# Altium PCB LED_12T-V1.1拼.PcbDoc (part 2 of 5)
Units mm, origin at the board's own origin, x right, y up, seen from the top; angles counter-clockwise.
Board outline 152.4 x 101.6 mm, 2 copper layers (Top Layer, Bottom Layer); 148 components, 0 nets, 416 pads, 236 vias.
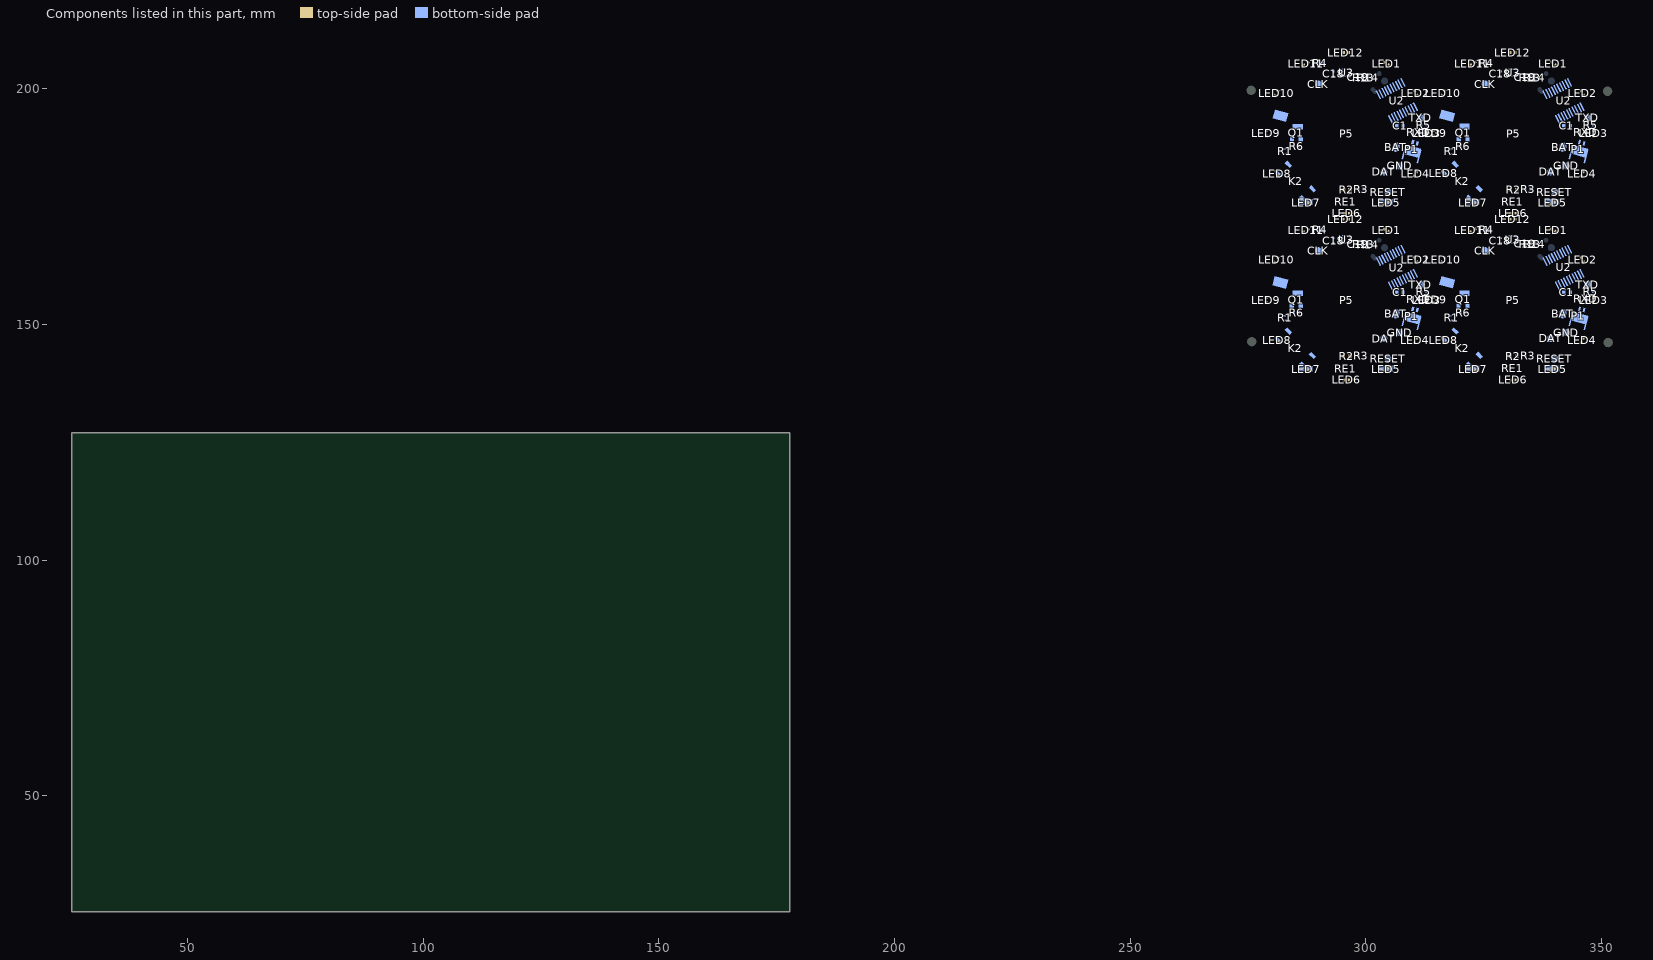
[diagram p2: the components of this part, seen from the top]

## Via types
v1: diameter 0.5, hole 0.3, Top Layer to Bottom Layer, 236 vias

## Nets (pads, with @x,y where several pads share a name; then routed paths per layer and width w, separated by ;. In a path a pad name is that pad's centre, name@x,y a point inside that pad or via, vN(x,y) a via of type N, cw(c..) or ccw(c..) an arc to the next point about the centre after c; other vN are vias at no path point) (continued)
copper on no net: (continued)
  Top Layer w0.254: v1@278.709,153.765 278.666,154.334 278.809,154.642 278.828,154.627 ; v1@278.715,189.124 278.672,189.693 278.814,190.001 278.833,189.987 ; v1@278.845,153.847 278.861,154.66 ; v1@278.85,189.206 278.867,190.019 ; 278.941,154.594 279.031,154.329 v1@279.003,153.793 ; 278.947,189.953 279.037,189.688 v1@279.008,189.152 ; v1@280.355,149.493 280.379,149.469 280.379,147.886 280.677,147.589 ; v1@280.361,184.852 280.385,184.828 280.385,183.245 280.682,182.948 ; v1@280.403,149.422 280.403,148.029 280.701,147.732 280.701,147.613 ; v1@280.409,184.781 280.409,183.388 280.706,183.091 280.706,182.972 ; v1@280.451,162.644 280.699,163.093 280.705,163.105 ; v1@280.457,198.004 280.705,198.452 280.71,198.464 ; v1@280.463,149.433 280.463,148.362 280.665,148.16 280.665,147.779 ; v1@280.468,184.792 280.468,183.721 280.67,183.519 280.67,183.138 ; 280.557,147.326 280.418,147.711 280.866,147.989 281.024,148.008 281.106,147.913 281.257,147.673 281.339,147.276 281.055,147.094 ; 280.562,182.685 280.423,183.07 280.871,183.348 281.029,183.367 281.111,183.272 281.263,183.032 281.345,182.635 281.061,182.454 ; 280.563,147.477 281.062,147.749 ; 280.567,147.651 280.98,147.888 ; 280.569,182.837 281.067,183.108 ; 280.573,183.01 280.985,183.247 ; v1@280.589,162.564 280.802,162.919 280.906,163.171 ; v1@280.594,197.923 280.808,198.278 280.912,198.53 ; 281.055,147.623 281.188,147.307 ; 281.061,182.982 281.193,182.666 ; 281.399,146.18 281.389,146.149 281.41,145.893 281.665,145.466 281.983,145.601 281.999,145.7 281.717,146.055 ; 281.405,181.539 281.394,181.508 281.415,181.252 281.671,180.825 281.989,180.96 282.004,181.06 281.723,181.414 ; 281.497,146.129 281.762,145.675 ; 281.503,181.488 281.768,181.035 ; 281.649,145.629 281.649,145.544 282.486,144.707 282.724,144.707 ; 281.655,180.988 281.655,180.903 282.492,180.066 282.73,180.066 ; v1@283.484,157.614 283.678,158.331 v1@283.996,159.22 ; v1@283.489,192.973 283.683,193.69 v1@284.001,194.579 ; v1@283.555,144.101 283.555,144.089 285.15,142.494 v1(285.15,142.173) ; v1@283.561,179.46 283.561,179.448 285.156,177.854 v1(285.156,177.532) ; 283.698,156.159 284.166,156.77 284.929,157.4 285.273,157.419 v1@285.206,157.372 ; 283.703,191.518 284.171,192.129 284.935,192.759 285.279,192.778 v1@285.212,192.731 ; v1@283.726,157.507 283.893,157.965 284.179,158.703 ; v1@283.732,192.866 283.899,193.324 284.185,194.062 ; v1@283.887,158.667 284.221,159.001 284.221,159.365 ; v1@283.892,194.026 284.227,194.36 284.227,194.724 ; v1@283.956,158.441 283.956,158.539 284.192,158.775 v1@284.192,158.962 ; v1@283.961,193.8 283.961,193.898 284.197,194.134 v1@284.197,194.321 ; 284.015,159.289 285.404,160.6 ; 284.021,194.649 285.41,195.959 ; v1@284.044,158.991 284.044,159.306 ; v1@284.05,194.351 284.05,194.665 ; v1@284.146,159.09 285.526,160.487 ; v1@284.149,159.21 284.197,159.21 ; v1@284.151,194.449 285.531,195.846 ; v1@284.155,194.569 284.202,194.569 ; 284.576,156.952 v1@285.235,157.095 ; 284.582,192.311 v1@285.24,192.454 ; v1@285.277,157.214 284.866,157.214 283.818,156.166 283.756,156.166 ccw(c296.955,155.406) v1@287.983,145.695 ; v1@285.283,192.573 284.872,192.573 283.824,191.526 283.761,191.526 ccw(c296.961,190.765) v1@287.988,181.054 ; v1@286.274,169.101 286.492,169.718 286.695,169.817 286.716,169.817 ; v1@286.28,204.46 286.497,205.077 286.7,205.176 286.722,205.176 ; 286.355,169.364 286.826,169.683 ; 286.361,204.723 286.831,205.042 ; v1@286.442,169.183 286.73,169.685 ; v1@286.447,204.542 286.736,205.045 ; v1@286.531,168.987 286.894,169.614 ; v1@286.536,204.346 286.9,204.973 ; v1@287.711,145.528 288.31,145.528 289.633,144.204 291.69,144.204 ; v1@287.716,180.887 288.315,180.887 289.639,179.563 291.695,179.563 ; v1@287.854,145.715 288.265,145.715 289.696,144.285 289.758,144.285 ; v1@287.859,181.075 288.271,181.075 289.701,179.644 289.764,179.644 ; 287.924,140.189 288.417,139.982 ; 287.93,175.549 288.422,175.341 ; 287.958,140.278 288.531,140.399 288.847,140.267 288.847,140.146 288.715,139.854 288.411,139.865 ; 287.963,175.637 288.537,175.758 288.852,175.626 288.852,175.505 288.72,175.213 288.416,175.224 ; 288.024,139.989 288.417,139.954 288.417,139.847 ; 288.03,175.348 288.422,175.313 288.422,175.206 ; 288.129,140.08 288.483,140.08 ; 288.134,175.439 288.488,175.439 ; 288.167,140.218 288.553,140.047 ; 288.172,175.577 288.558,175.406 ; 288.506,140.217 291.033,140.217 v1@291.151,140.099 ; 288.506,140.282 288.794,139.994 v1@291.164,139.994 ; 288.512,175.576 291.038,175.576 v1@291.156,175.458 ; 288.512,175.641 288.8,175.353 v1@291.169,175.353 ; 288.533,140.217 290.771,140.217 290.876,140.322 ; 288.538,175.576 290.777,175.576 290.881,175.681 ; 288.593,140.227 288.614,139.895 ; 288.598,175.586 288.62,175.254 ; 289.392,144.553 289.58,144.365 291.207,144.365 291.243,144.33 291.278,144.33 ; 289.397,179.912 289.585,179.724 291.212,179.724 291.248,179.689 291.284,179.689 ; 290.866,144.369 295.966,144.369 296.949,143.387 297.123,143.387 ; 290.872,179.728 295.972,179.728 296.954,178.746 297.128,178.746 ; 290.993,144.179 295.919,144.179 296.79,143.308 ; 290.998,179.538 295.925,179.538 296.796,178.667 ; 294.318,166.433 v1@294.603,166.718 ; 294.324,201.792 v1@294.609,202.077 ; v1@294.331,143.265 ccw(c294.426,143.265) 294.426,143.17 295.183,143.17 ; v1@294.337,178.624 ccw(c294.431,178.624) 294.431,178.529 295.188,178.529 ; v1@294.344,166.818 295.576,168.206 295.581,168.221 ; v1@294.35,202.177 295.581,203.565 295.586,203.58 ; 294.351,143.118 294.879,142.957 295.137,143.043 295.143,143.043 ; 294.357,178.477 294.884,178.316 295.142,178.403 295.148,178.403 ; v1@294.407,143.485 ccw(c294.432,143.485) 294.432,143.46 295.113,143.46 cw(c295.113,143.384) 295.189,143.384 ccw(c295.195,143.384) 295.195,143.378 ; v1@294.412,178.844 ccw(c294.438,178.844) 294.438,178.819 295.119,178.819 cw(c295.119,178.744) 295.195,178.744 ccw(c295.201,178.744) 295.201,178.737 ; v1(294.445,143.365) 295.189,143.365 cw(c295.189,143.334) 295.221,143.334 ; v1(294.45,178.725) 295.195,178.725 cw(c295.195,178.693) 295.226,178.693 ; v1@294.466,166.777 295.707,168.08 297.58,168.004 ; v1@294.471,202.136 295.713,203.439 297.585,203.363 ; 294.589,172.262 294.762,172.204 295.222,172.223 295.235,172.217 ; 294.595,207.621 294.768,207.563 295.228,207.582 295.24,207.576 ; v1@294.618,166.707 295.626,167.714 v1@297.591,167.714 ; v1@294.624,202.066 295.632,203.074 v1@297.597,203.074 ; v1@294.696,172.588 294.561,172.588 294.561,172.41 294.612,172.359 294.816,172.359 294.886,172.43 295.184,172.43 ; v1@294.701,207.947 294.567,207.947 294.567,207.769 294.618,207.718 294.821,207.718 294.892,207.789 295.19,207.789 ; 295.213,168.841 ccw(c295.213,168.105) 294.692,168.626 294.47,168.404 cw(c294.21,168.664) 294.21,168.296 ccw(c295.889,155.181) 303.047,144.066 306.906,144.066 308.72,145.88 310.332,145.88 ; 295.218,204.2 ccw(c295.218,203.464) 294.698,203.985 294.476,203.763 cw(c294.216,204.023) 294.216,203.655 ccw(c295.894,190.541) 303.053,179.425 306.911,179.425 308.725,181.239 310.338,181.239 ; 295.229,168.845 cw(c295.835,155.213) v1@307.799,161.773 ; 295.234,204.204 cw(c295.84,190.572) v1@307.805,197.132 ; 295.414,167.948 297.802,167.837 ; 295.42,203.307 297.807,203.196 ; 295.663,168.243 cw(c295.897,155.177) 308.824,157.091 ; 295.668,203.602 cw(c295.902,190.536) 308.83,192.45 ; 296.578,138.519 297.303,138.519 ; 296.583,173.878 297.308,173.878 ; 296.588,143.33 296.594,143.324 296.961,143.497 297.781,143.279 ; 296.594,178.689 296.599,178.684 296.966,178.856 297.787,178.638 ; 296.653,138.366 296.721,138.384 297.234,138.519 ; 296.657,143.107 296.651,143.095 296.972,142.969 297.907,143.193 ; 296.658,173.725 296.727,173.743 297.24,173.878 ; 296.662,178.466 296.657,178.454 296.978,178.328 297.913,178.552 ; 296.777,143.336 297.557,143.221 ; 296.783,178.695 297.563,178.58 ; 296.808,143.124 ccw(c295.681,156.297) 305.633,147.594 ; 296.814,178.483 ccw(c295.686,191.656) 305.639,182.953 ; 297.33,138.201 297.447,138.319 v1@297.447,139.876 ; 297.335,173.56 297.453,173.678 v1@297.453,175.236 ; v1@297.426,167.705 v1@297.433,167.699 ; v1@297.432,203.064 v1@297.438,203.058 ; v1@297.494,167.686 297.524,168.155 ; v1@297.499,203.045 297.53,203.514 ; v1@297.539,167.863 297.544,167.852 299.765,167.635 ; v1@297.545,203.222 297.55,203.212 299.77,202.994 ; v1@297.59,167.701 299.755,167.605 ; v1@297.595,203.06 299.76,202.964 ; 297.625,167.974 299.311,167.706 ; 297.63,203.333 299.316,203.065 ; v1@298.446,144.174 298.958,144.322 ; v1@298.451,179.533 298.964,179.681 ; 301.187,166.502 v1@302.309,165.861 ; 301.193,201.861 v1@302.315,201.22 ; 301.992,165.657 v1(302.28,165.808) ; 301.998,201.016 v1(302.286,201.168) ; 302.902,164.563 304.98,160.961 ; 302.908,199.922 304.986,196.32 ; v1@303.62,147.136 305.157,149.198 ; v1@303.625,182.495 305.162,184.557 ; 303.677,162.584 304.513,161.121 ; 303.682,197.943 304.518,196.48 ; v1@303.687,147.171 303.57,147.058 303.594,146.908 303.801,146.863 v1@303.926,146.969 ; v1@303.693,182.53 303.575,182.417 303.6,182.267 303.806,182.223 v1@303.932,182.328 ; v1@303.753,146.993 305.176,149.227 ; v1@303.753,147.012 305.367,149.189 ; v1@303.759,182.352 305.181,184.586 ; v1@303.759,182.371 305.372,184.548 ; v1@303.858,146.936 305.424,149.217 ; v1@303.864,182.295 305.43,184.576 ; 304.38,161 304.905,161 305.621,160.284 v1@305.621,160.05 ; 304.385,196.359 304.911,196.359 305.626,195.644 v1@305.626,195.409 ; 304.415,162.276 305.103,160.948 ; 304.42,197.635 305.109,196.307 ; 304.595,169.278 304.595,169.562 304.821,169.789 ; 304.6,204.637 304.6,204.922 304.827,205.148 ; 304.609,169.212 cw(c295.961,155.22) 309.417,164.679 309.417,162.096 cw(c309.215,162.096) v1(309.358,161.952) ; 304.614,204.571 cw(c295.967,190.579) 309.423,200.039 309.423,197.455 cw(c309.22,197.455) v1(309.364,197.312) ; 304.67,169.15 ccw(c304.185,169.635) 304.871,169.635 ; 304.676,204.509 ccw(c304.191,204.994) 304.877,204.994 ; 304.799,169.611 304.802,169.611 304.896,169.517 304.896,169.099 304.902,169.093 ; 304.804,204.97 304.807,204.97 304.901,204.876 304.901,204.459 304.908,204.452 ; 305.192,149.212 305.981,150.001 305.981,152.552 cw(c307.483,152.552) 306.421,153.614 306.679,153.872 ccw(c304.511,156.04) 307.577,156.04 307.577,156.301 ccw(c305.592,156.301) v1@306.996,157.706 ; 305.198,184.571 305.987,185.36 305.987,187.911 cw(c307.489,187.911) 306.427,188.973 306.685,189.232 ccw(c304.517,191.4) 307.583,191.4 307.583,191.661 ccw(c305.597,191.661) v1@307.001,193.065 ; 305.273,149.046 305.967,149.971 ; 305.279,184.405 305.972,185.33 ; 305.622,147.614 v1@307.073,148.401 ; 305.628,182.974 v1@307.078,183.76 ; 305.63,147.592 v1@307.149,148.195 ; 305.635,182.951 v1@307.155,183.554 ; v1@307.027,157.558 v1@307.027,157.749 ; v1@307.033,192.917 v1@307.033,193.108 ; v1@307.725,162.069 v1@307.728,162.062 ; v1@307.73,197.428 v1@307.734,197.421 ; 308.59,145.736 308.979,146.124 310.332,146.124 ; 308.596,181.095 308.984,181.483 310.338,181.483 ; 308.828,156.764 308.828,156.238 ccw(c309.152,156.238) 308.923,156.008 cw(c308.795,155.881) 308.976,155.881 v1@308.976,155.813 ; 308.829,156.816 308.829,157.121 ; 308.833,192.123 308.833,191.597 ccw(c309.158,191.597) 308.928,191.367 cw(c308.801,191.24) 308.981,191.24 v1@308.981,191.172 ; 308.835,192.175 308.835,192.48 ; 308.874,157.179 309.276,156.461 v1@309.125,155.694 ; 308.88,192.538 309.281,191.821 v1@309.131,191.053 ; v1@308.888,155.811 308.929,156.203 ; 308.888,157.069 308.871,157.052 v1@309.068,155.884 ; v1@308.893,191.17 308.934,191.562 ; 308.893,192.428 308.877,192.411 v1@309.073,191.243 ; v1@308.953,155.647 v1@308.969,155.664 ; v1@308.959,191.006 v1@308.975,191.023 ; v1@309.076,149.244 312.425,153.54 v1@312.425,153.556 ; v1@309.081,184.603 312.43,188.899 v1@312.43,188.915 ; v1@309.182,149.031 312.506,153.393 v1@312.506,153.409 ; v1@309.187,184.39 312.512,188.752 v1@312.512,188.768 ; v1@314.092,153.774 314.049,154.342 314.191,154.651 314.21,154.636 ; v1@314.097,189.133 314.055,189.702 314.197,190.01 314.216,189.995 ; v1@314.227,153.856 314.244,154.669 ; v1@314.233,189.215 314.25,190.028 ; 314.324,154.603 314.414,154.338 v1@314.386,153.802 ; 314.33,189.962 314.42,189.697 v1@314.391,189.161 ; v1@315.738,149.502 315.762,149.478 315.762,147.895 316.06,147.598 ; v1@315.744,184.861 315.768,184.837 315.768,183.254 316.065,182.957 ; v1@315.786,149.43 315.786,148.038 316.083,147.741 316.083,147.621 ; v1@315.791,184.789 315.791,183.397 316.089,183.1 316.089,182.981 ; v1@315.834,162.653 316.082,163.102 316.088,163.114 ; v1@315.839,198.012 316.087,198.461 316.093,198.473 ; v1@315.845,149.442 315.845,148.371 316.048,148.169 316.048,147.788 ; v1@315.851,184.801 315.851,183.73 316.053,183.528 316.053,183.147 ; 315.94,147.335 315.801,147.72 316.249,147.997 316.407,148.016 316.489,147.922 316.64,147.682 316.722,147.284 316.438,147.103 ; 315.946,147.486 316.444,147.758 ; 315.945,182.694 315.806,183.079 316.254,183.357 316.412,183.375 316.494,183.281 316.646,183.041 316.728,182.644 316.444,182.462 ; 315.95,147.66 316.362,147.897 ; 315.951,182.845 316.45,183.117 ; 315.956,183.019 316.368,183.256 ; v1@315.972,162.573 316.185,162.928 316.289,163.179 ; v1@315.977,197.932 316.19,198.287 316.295,198.538 ; 316.438,147.632 316.571,147.316 ; 316.444,182.991 316.576,182.675 ; 316.782,146.189 316.772,146.158 316.792,145.902 317.048,145.475 317.366,145.61 317.382,145.709 317.1,146.064 ; 316.788,181.548 316.777,181.517 316.798,181.261 317.053,180.834 317.372,180.969 317.387,181.068 317.106,181.423 ; 316.88,146.138 317.145,145.684 ; 316.885,181.497 317.151,181.043 ; 317.032,145.638 317.032,145.553 317.869,144.716 318.107,144.716 ; 317.038,180.997 317.038,180.912 317.874,180.075 318.113,180.075 ; v1@318.867,157.623 319.061,158.34 v1@319.379,159.229 ; v1@318.872,192.982 319.066,193.699 v1@319.384,194.588 ; v1@318.938,144.11 318.938,144.098 320.533,142.503 v1(320.533,142.182) ; v1@318.944,179.469 318.944,179.457 320.538,177.862 v1(320.538,177.541) ; 319.081,156.168 319.549,156.779 320.312,157.409 320.656,157.428 v1@320.589,157.38 ; 319.086,191.527 319.554,192.138 320.318,192.768 320.661,192.787 v1@320.595,192.74 ; v1@319.109,157.515 319.276,157.974 319.562,158.712 ; v1@319.115,192.875 319.282,193.333 319.567,194.071 ; v1@319.27,158.676 319.604,159.01 319.604,159.374 ; v1@319.275,194.035 319.61,194.369 319.61,194.733 ; v1@319.338,158.45 319.338,158.548 319.575,158.784 v1@319.575,158.971 ; v1@319.344,193.809 319.344,193.907 319.58,194.143 v1@319.58,194.33 ; 319.398,159.298 320.787,160.609 ; 319.404,194.657 320.792,195.968 ; v1@319.427,159 319.427,159.315 ; v1@319.433,194.359 319.433,194.674 ; v1@319.528,159.099 320.908,160.496 ; v1@319.532,159.219 319.579,159.219 ; v1@319.534,194.458 320.914,195.855 ; v1@319.537,194.578 319.585,194.578 ; 319.959,156.96 v1@320.618,157.104 ; 319.965,192.319 v1@320.623,192.463 ; v1@320.66,157.223 320.249,157.223 319.201,156.175 319.138,156.175 ccw(c332.338,155.415) v1@323.365,145.704 ; v1@320.665,192.582 320.254,192.582 319.207,191.534 319.144,191.534 ccw(c332.344,190.774) v1@323.371,181.063 ; v1@321.657,169.11 321.874,169.726 322.077,169.826 322.099,169.826 ; v1@321.663,204.469 321.88,205.086 322.083,205.185 322.104,205.185 ; 321.738,169.372 322.209,169.692 ; 321.744,204.732 322.214,205.051 ; v1@321.825,169.192 322.113,169.694 ; v1@321.83,204.551 322.119,205.053 ; v1@321.914,168.996 322.277,169.623 ; v1@321.919,204.355 322.282,204.982 ; v1@323.094,145.537 323.693,145.537 325.016,144.213 327.073,144.213 ; v1@323.099,180.896 323.698,180.896 325.022,179.572 327.078,179.572 ; v1@323.237,145.724 323.648,145.724 325.079,144.294 325.141,144.294 ; v1@323.242,181.083 323.654,181.083 325.084,179.653 325.147,179.653 ; 323.307,140.198 323.8,139.991 ; 323.312,175.557 323.805,175.35 ; 323.341,140.287 323.914,140.408 324.23,140.276 324.23,140.155 324.098,139.863 323.794,139.874 ; 323.346,175.646 323.92,175.767 324.235,175.635 324.235,175.514 324.103,175.222 323.799,175.233 ; 323.407,139.998 323.8,139.963 323.8,139.855 ; 323.412,175.357 323.805,175.322 323.805,175.215 ; 323.512,140.089 323.866,140.089 ; 323.517,175.448 323.871,175.448 ; 323.55,140.227 323.936,140.055 ; 323.555,175.586 323.941,175.415 ; 323.889,140.226 326.416,140.226 v1@326.534,140.108 ; 323.889,140.291 324.177,140.003 v1@326.547,140.003 ; 323.895,175.585 326.421,175.585 v1@326.539,175.467 ; 323.895,175.65 324.183,175.362 v1@326.552,175.362 ; 323.915,140.226 326.154,140.226 326.259,140.33 ; 323.921,175.585 326.159,175.585 326.264,175.69 ; 323.975,140.236 323.997,139.904 ; 323.981,175.595 324.002,175.263 ; 324.775,144.562 324.962,144.374 326.59,144.374 326.625,144.338 326.661,144.338 ; 324.78,179.921 324.968,179.733 326.595,179.733 326.631,179.698 326.667,179.698 ; 326.249,144.378 331.349,144.378 332.331,143.396 332.506,143.396 ; 326.254,179.737 331.355,179.737 332.337,178.755 332.511,178.755 ; 326.376,144.188 331.302,144.188 332.173,143.316 ; 326.381,179.547 331.307,179.547 332.179,178.676 ; 329.701,166.442 v1@329.986,166.727 ; 329.706,201.801 v1@329.992,202.086 ; v1@329.714,143.273 ccw(c329.809,143.273) 329.809,143.179 330.566,143.179 ; v1@329.719,178.633 ccw(c329.814,178.633) 329.814,178.538 330.571,178.538 ; v1@329.727,166.827 330.959,168.215 330.964,168.23 ; v1@329.733,202.186 330.964,203.574 330.969,203.589 ; 329.734,143.127 330.262,142.966 330.52,143.052 330.525,143.052 ; 329.739,178.486 330.267,178.325 330.525,178.411 330.531,178.411 ; v1@329.79,143.494 ccw(c329.815,143.494) 329.815,143.469 330.496,143.469 cw(c330.496,143.393) 330.572,143.393 ccw(c330.578,143.393) 330.578,143.387 ; v1@329.795,178.853 ccw(c329.82,178.853) 329.82,178.828 330.502,178.828 cw(c330.502,178.752) 330.578,178.752 ccw(c330.584,178.752) 330.584,178.746 ; v1(329.827,143.374) 330.572,143.374 cw(c330.572,143.343) 330.604,143.343 ; v1(329.833,178.733) 330.578,178.733 cw(c330.578,178.702) 330.609,178.702 ; v1@329.848,166.786 331.09,168.088 332.962,168.013 ; v1@329.854,202.145 331.095,203.448 332.968,203.372 ; 329.972,172.27 330.145,172.213 330.605,172.232 330.618,172.226 ; 329.978,207.629 330.15,207.572 330.61,207.591 330.623,207.585 ; v1@330.001,166.716 331.009,167.723 v1@332.974,167.723 ; v1@330.007,202.075 331.015,203.082 v1@332.98,203.082 ; v1@330.079,172.597 329.944,172.597 329.944,172.419 329.995,172.368 330.199,172.368 330.269,172.439 330.567,172.439 ; v1@330.084,207.956 329.949,207.956 329.949,207.778 330,207.727 330.204,207.727 330.275,207.798 330.572,207.798 ; 330.596,168.85 ccw(c330.596,168.114) 330.075,168.635 329.853,168.412 cw(c329.593,168.672) 329.593,168.305 ccw(c331.272,155.19) 338.43,144.075 342.289,144.075 344.102,145.888 345.715,145.888 ; 330.601,204.209 ccw(c330.601,203.473) 330.081,203.994 329.858,203.772 cw(c329.598,204.032) 329.598,203.664 ccw(c331.277,190.549) 338.436,179.434 342.294,179.434 344.108,181.247 345.721,181.247 ; 330.612,168.854 cw(c331.218,155.222) v1@343.182,161.782 ; 330.617,204.213 cw(c331.223,190.581) v1@343.188,197.141 ; 330.797,167.957 333.184,167.846 ; 330.803,203.316 333.19,203.205 ; 331.046,168.252 cw(c331.28,155.186) 344.207,157.1 ; 331.051,203.611 cw(c331.285,190.545) 344.212,192.459 ; 331.961,138.528 332.685,138.528 ; 331.966,173.887 332.691,173.887 ; 331.971,143.339 331.977,143.333 332.344,143.505 333.164,143.287 ; 331.976,178.698 331.982,178.692 332.349,178.865 333.169,178.647 ; 332.036,138.375 332.104,138.393 332.617,138.528 ; 332.04,143.115 332.034,143.104 332.355,142.978 333.29,143.201 ; 332.041,173.734 332.11,173.752 332.622,173.887 ; 332.045,178.474 332.039,178.463 332.361,178.337 333.296,178.561 ; 332.16,143.345 332.94,143.23 ; 332.166,178.704 332.946,178.589 ; 332.191,143.133 ccw(c331.063,156.306) 341.016,147.603 ; 332.197,178.492 ccw(c331.069,191.665) 341.021,182.962 ; 332.712,138.21 332.83,138.328 v1@332.83,139.885 ; 332.718,173.569 332.836,173.687 v1@332.836,175.244 ; v1@332.809,167.714 v1@332.816,167.707 ; v1@332.815,203.073 v1@332.821,203.067 ; v1@332.877,167.695 332.907,168.164 ; v1@332.882,203.054 332.912,203.523 ; v1@332.922,167.871 332.927,167.861 335.148,167.644 ; v1@332.928,203.231 332.933,203.22 335.153,203.003 ; v1@332.972,167.71 335.138,167.614 ; v1@332.978,203.069 335.143,202.973 ; 333.008,167.982 334.694,167.715 ; 333.013,203.342 334.699,203.074 ; v1@333.829,144.183 334.341,144.33 ; v1@333.834,179.542 334.347,179.69 ; 336.57,166.511 v1@337.692,165.87 ; 336.575,201.87 v1@337.698,201.229 ; 337.375,165.666 v1(337.663,165.817) ; 337.381,201.025 v1(337.669,201.176) ; 338.285,164.572 340.363,160.97 ; 338.291,199.931 340.368,196.329 ; v1@339.003,147.145 340.54,149.207 ; v1@339.008,182.504 340.545,184.566 ; 339.06,162.593 339.896,161.129 ; 339.065,197.952 339.901,196.489 ; v1@339.07,147.18 338.953,147.067 338.977,146.917 339.184,146.872 v1@339.309,146.978 ; v1@339.076,182.539 338.958,182.426 338.983,182.276 339.189,182.231 v1@339.315,182.337 ; v1@339.136,147.002 340.559,149.236 ; v1@339.136,147.021 340.75,149.198 ; v1@339.142,182.361 340.564,184.595 ; v1@339.142,182.38 340.755,184.557 ; v1@339.241,146.944 340.807,149.226 ; v1@339.247,182.304 340.812,184.585 ; 339.763,161.009 340.288,161.009 341.003,160.293 v1@341.003,160.059 ; 339.768,196.368 340.293,196.368 341.009,195.652 v1@341.009,195.418 ; 339.797,162.285 340.486,160.957 ; 339.803,197.644 340.491,196.316 ; 339.978,169.286 339.978,169.571 340.204,169.798 ; 339.983,204.645 339.983,204.93 340.21,205.157 ; 339.992,169.221 cw(c331.344,155.229) 344.8,164.688 344.8,162.105 cw(c344.598,162.105) v1(344.741,161.961) ; 339.997,204.58 cw(c331.349,190.588) 344.806,200.047 344.806,197.464 cw(c344.603,197.464) v1(344.746,197.32) ; 340.053,169.159 ccw(c339.568,169.643) 340.254,169.643 ; 340.059,204.518 ccw(c339.574,205.003) 340.259,205.003 ; 340.181,169.62 340.185,169.62 340.279,169.526 340.279,169.108 340.285,169.102 ; 340.187,204.979 340.19,204.979 340.284,204.885 340.284,204.467 340.291,204.461 ; 340.575,149.221 341.364,150.01 341.364,152.561 cw(c342.866,152.561) 341.804,153.623 342.062,153.881 ccw(c339.894,156.049) 342.96,156.049 342.96,156.31 ccw(c340.975,156.31) v1@342.379,157.715 ; 340.581,184.58 341.37,185.369 341.37,187.92 cw(c342.872,187.92) 341.81,188.982 342.068,189.24 ccw(c339.9,191.408) 342.966,191.408 342.966,191.669 ccw(c340.98,191.669) v1@342.384,193.074 ; 340.656,149.055 341.35,149.98 ; 340.662,184.414 341.355,185.339 ; 341.005,147.623 v1@342.456,148.41 ; 341.011,182.982 v1@342.461,183.769 ; 341.013,147.6 v1@342.532,148.204 ; 341.018,182.96 v1@342.537,183.563 ; v1@342.41,157.567 v1@342.41,157.758 ; v1@342.415,192.926 v1@342.415,193.117 ; v1@343.107,162.078 v1@343.111,162.07 ; v1@343.113,197.437 v1@343.117,197.43 ; 343.973,145.744 344.362,146.133 345.715,146.133 ; 343.978,181.103 344.367,181.492 345.721,181.492 ; 344.211,156.772 344.211,156.247 ccw(c344.535,156.247) 344.306,156.017 cw(c344.178,155.89) 344.359,155.89 v1@344.359,155.822 ; 344.212,156.825 344.212,157.13 ; 344.216,192.132 344.216,191.606 ccw(c344.541,191.606) 344.311,191.376 cw(c344.184,191.249) 344.364,191.249 v1@344.364,191.181 ; 344.217,192.184 344.217,192.489 ; 344.257,157.188 344.659,156.47 v1@344.508,155.703 ; 344.262,192.547 344.664,191.829 v1@344.513,191.062 ; v1@344.271,155.82 344.311,156.212 ; 344.271,157.077 344.254,157.061 v1@344.45,155.893 ; v1@344.276,191.179 344.317,191.571 ; 344.276,192.436 344.26,192.42 v1@344.456,191.252 ; v1@344.336,155.656 v1@344.352,155.673 ; v1@344.342,191.015 v1@344.358,191.032 ; v1@344.459,149.253 347.807,153.549 v1@347.807,153.565 ; v1@344.464,184.612 347.813,188.908 v1@347.813,188.924 ; v1@344.565,149.04 347.889,153.402 v1@347.889,153.418 ; v1@344.57,184.399 347.895,188.761 v1@347.895,188.777
  Top Layer w0.3: 306.514,162.762 cw(c304.402,160.651) 307.389,160.651 307.389,160.311 cw(c304.859,160.311) 306.648,158.522 ccw(c307.691,157.479) 306.215,157.479 306.215,156.838 ccw(c307.515,156.838) v1(306.596,155.918) ; 306.519,198.122 cw(c304.407,196.01) 307.394,196.01 307.394,195.67 cw(c304.864,195.67) 306.653,193.881 ccw(c307.697,192.838) 306.221,192.838 306.221,192.197 ccw(c307.521,192.197) v1(306.602,191.278) ; 341.897,162.771 cw(c339.785,160.659) 342.771,160.659 342.771,160.32 cw(c340.241,160.32) 342.03,158.531 ccw(c343.074,157.488) 341.598,157.488 341.598,156.847 ccw(c342.898,156.847) v1(341.979,155.927) ; 341.902,198.13 cw(c339.79,196.018) 342.777,196.018 342.777,195.679 cw(c340.247,195.679) 342.036,193.89 ccw(c343.079,192.847) 341.604,192.847 341.604,192.206 ccw(c342.904,192.206) v1(341.984,191.286)
  Top Layer w0.4: 285.508,160.609 cw(c295.883,155.226) 294.267,166.802 ; 285.514,195.968 cw(c295.888,190.585) 294.272,202.161 ; 292.862,166.474 294.282,166.503 ; 292.867,201.833 294.287,201.862 ; 320.891,160.618 cw(c331.266,155.235) 329.65,166.811 ; 320.897,195.977 cw(c331.271,190.594) 329.655,202.17 ; 328.245,166.483 329.665,166.512 ; 328.25,201.842 329.67,201.871
  Bottom Layer w0.127: 304.377,164.215 v1@304.922,163.101 ; 304.383,199.574 v1@304.927,198.46 ; 304.641,163.901 304.998,163.203 v1@305.015,163.203 ; 304.647,199.26 305.004,198.562 v1@305.021,198.562 ; 304.675,163.441 304.828,163.144 v1@304.947,163.033 ; 304.681,198.8 304.834,198.503 v1@304.953,198.392 ; 304.905,163.543 v1@305.117,163.067 ; 304.91,198.902 v1@305.123,198.426 ; 339.76,164.224 v1@340.305,163.11 ; 339.766,199.583 v1@340.31,198.469 ; 340.024,163.909 340.381,163.212 v1@340.398,163.212 ; 340.029,199.269 340.387,198.571 v1@340.404,198.571 ; 340.058,163.45 340.211,163.152 v1@340.33,163.042 ; 340.063,198.809 340.217,198.512 v1@340.336,198.401 ; 340.288,163.552 v1@340.5,163.076 ; 340.293,198.911 v1@340.506,198.435
  Bottom Layer w0.13: 311.425,158.381 311.498,158.381 312.311,157.569 ; 311.431,193.741 311.504,193.741 312.316,192.928 ; 311.683,158.218 311.683,158.178 312.291,157.569 312.291,156.055 313.156,155.19 ; 311.688,193.577 311.688,193.537 312.297,192.928 312.297,191.414 313.162,190.549 ; 312.3,158.302 312.345,157.578 312.31,157.377 ; 312.305,193.661 312.35,192.937 312.315,192.736 ; 346.808,158.39 346.881,158.39 347.694,157.578 ; 346.814,193.749 346.887,193.749 347.699,192.937 ; 347.066,158.227 347.066,158.186 347.674,157.578 347.674,156.064 348.539,155.199 ; 347.071,193.586 347.071,193.546 347.68,192.937 347.68,191.423 348.545,190.558 ; 347.682,158.311 347.727,157.587 347.693,157.386 ; 347.688,193.67 347.733,192.946 347.698,192.745
  Bottom Layer w0.2: 280.23,162.203 v1@280.632,162.581 ; 280.236,197.562 v1@280.637,197.94 ; v1@280.62,162.639 280.62,162.633 280.775,163.31 ; v1@280.626,197.998 280.626,197.992 280.781,198.669 ; 281.332,146.204 ccw(c294.875,154.367) 283.53,143.351 ; 281.337,181.563 ccw(c294.881,189.726) 283.536,178.71 ; 281.387,146.159 281.897,145.797 ; 281.393,181.518 281.903,181.156 ; 281.655,164.908 ccw(c281.655,164.911) 281.658,164.909 cw(c282.356,164.21) 282.356,165.198 ccw(c282.356,165.5) 282.57,165.287 282.848,165.564 ; 281.661,200.267 ccw(c281.661,200.27) 281.663,200.268 cw(c282.362,199.569) 282.362,200.557 ccw(c282.362,200.86) 282.576,200.646 282.853,200.924 ; 281.674,164.902 ccw(c295.902,155.286) 280.107,148.546 281.077,148.546 283.128,146.494 283.128,145.185 v1@282.783,144.84 ; 281.679,200.261 ccw(c295.907,190.645) 280.112,183.905 281.082,183.905 283.134,181.853 283.134,180.544 v1@282.789,180.199 ; 281.81,145.688 281.812,145.69 ; 281.816,181.047 281.818,181.049 ; v1@281.859,163.797 v1@283.116,163.149 ; v1@281.865,199.156 v1@283.121,198.508 ; 281.895,145.581 281.916,145.609 ; 281.901,180.94 281.922,180.968 ; 281.932,145.913 281.999,145.854 ; 281.937,181.272 282.005,181.213 ; 281.972,145.725 281.998,145.748 ; 281.978,181.084 282.003,181.107 ; 281.98,145.556 282.009,145.607 ; 281.985,180.915 282.015,180.966 ; 282.012,145.431 282.02,145.419 ; 282.018,180.79 282.026,180.778 ; v1@282.037,163.969 v1@283.247,163.344 ; v1@282.043,199.328 v1@283.253,198.703 ; 282.056,145.935 282.058,145.917 ; 282.06,145.673 282.097,145.732 ; 282.062,181.294 282.064,181.276 ; 282.065,181.032 282.103,181.091 ; 282.09,146.061 282.116,146.086 ; 282.096,181.42 282.121,181.445 ; 282.105,145.545 282.11,145.2 ; 282.111,180.904 282.115,180.559 ; 282.137,145.836 282.138,145.817 ; 282.139,146.285 282.246,146.184 282.24,144.892 282.228,144.898 ; 282.143,181.195 282.143,181.176 ; 282.145,181.644 282.252,181.543 282.246,180.251 282.234,180.257 ; 282.846,165.573 cw(c295.852,155.393) 288.484,170.175 289.65,170.278 ; 282.852,200.932 cw(c295.858,190.753) 288.489,205.534 289.655,205.637 ; v1@282.864,145.017 282.957,146.544 ; v1@282.869,180.376 282.963,181.903 ; v1@283.011,145.128 283.019,146.126 ; v1@283.016,180.487 283.025,181.485 ; 283.354,143.594 288.682,143.594 ; 283.36,178.953 288.687,178.953 ; 283.556,143.335 288.524,143.335 288.567,143.378 ; 283.561,178.694 288.529,178.694 288.572,178.737 ; 283.57,143.465 288.696,143.465 ; 283.576,178.824 288.702,178.824 ; 284.013,153.856 284.013,151.154 293.001,142.165 301.798,142.165 v1(306.417,146.784) ; 284.018,189.215 284.018,186.513 293.007,177.524 301.804,177.524 v1(306.423,182.143) ; 284.023,152.705 284.782,152.673 ; 284.028,188.064 284.788,188.032 ; 284.075,153.891 284.178,152.692 ; 284.081,189.251 284.183,188.051 ; 284.086,152.513 284.094,152.505 284.785,152.505 ; 284.092,187.872 284.1,187.864 284.791,187.864 ; 284.096,152.289 284.807,152.338 ; 284.102,187.648 284.812,187.697 ; 284.162,152.387 284.611,152.362 ; 284.167,187.746 284.616,187.721 ; 284.183,151.038 284.199,152.401 ; 284.189,186.397 284.205,187.76 ; 284.241,152.621 284.264,153.899 ; 284.246,187.98 284.27,189.258 ; 284.35,150.854 284.388,152.444 ; 284.351,152.463 284.351,153.773 ; 284.356,186.213 284.394,187.803 ; 284.357,187.822 284.357,189.132 ; 284.431,152.762 284.512,150.72 ; 284.437,188.121 284.517,186.079 ; 284.442,153.931 284.647,153.473 284.657,152.643 ; 284.447,153.651 284.496,152.692 ; 284.447,189.291 284.652,188.832 284.663,188.003 ; 284.453,189.01 284.501,188.051 ; 284.62,152.455 284.657,150.623 ; 284.625,187.814 284.663,185.982 ; 288.053,169.88 289.682,169.885 ; 288.059,205.239 289.688,205.244 ; 288.311,170.034 289.659,170.075 ; 288.317,205.394 289.665,205.434 ; 288.444,143.409 288.444,143.239 289.401,142.282 289.401,142.112 ; 288.449,178.768 288.449,178.598 289.406,177.641 289.406,177.471 ; 288.925,143.437 289.095,143.437 ; 288.931,178.796 289.101,178.796 ; 289.016,142.944 289.329,142.631 289.329,142.497 ; 289.022,178.303 289.335,177.99 289.335,177.856 ; 289.213,142.72 289.213,142.962 289.275,143.024 ; 289.218,178.079 289.218,178.321 289.281,178.383 ; 289.41,143.11 289.41,140.806 290.928,139.287 298.311,139.287 v1(298.482,139.458) ; 289.415,178.469 289.415,176.165 290.934,174.646 298.317,174.646 v1(298.487,174.817) ; 296.067,168.81 296.067,169.01 cw(c296.596,169.01) 296.222,169.384 cw(c296.362,169.244) 296.362,169.442 ; 296.073,204.169 296.073,204.37 cw(c296.602,204.37) 296.228,204.743 cw(c296.368,204.603) 296.368,204.801 ; 296.582,168.223 298.842,168.223 299.558,167.508 ; 296.588,203.582 298.848,203.582 299.563,202.867 ; 296.729,168.362 297.259,168.247 ; 296.735,203.721 297.265,203.606 ; 297.783,139.277 v1@298.397,139.595 ; 297.788,174.636 v1@298.402,174.954 ; 298.225,139.38 v1@298.343,139.498 ; 298.23,174.739 v1@298.349,174.857 ; 298.696,168.223 299.064,168.227 299.644,167.569 ; 298.702,203.582 299.07,203.586 299.65,202.928 ; 299.476,167.311 299.969,166.985 ; 299.481,202.67 299.975,202.344 ; 299.642,167.392 300.048,166.985 300.977,166.985 301.223,166.739 301.223,165.069 302.216,164.076 ; 299.647,202.751 300.054,202.344 300.983,202.344 301.229,202.098 301.229,200.428 302.221,199.435 ; 299.685,144.315 ccw(c299.685,146.269) 301.427,145.384 305.152,152.72 ; 299.69,179.674 ccw(c299.69,181.628) 301.433,180.743 ; 300.435,167.605 300.874,167.605 301.661,166.818 301.661,165.584 302.825,164.42 ; 300.441,202.964 300.879,202.964 301.666,202.177 301.666,200.943 302.83,199.779 ; 301.432,180.743 305.158,188.079 ; 301.558,164.665 301.564,164.658 301.686,164.164 ; 301.563,200.024 301.569,200.017 301.692,199.523 ; 301.753,164.463 301.851,164.335 ; 301.759,199.822 301.856,199.694 ; 301.775,163.766 302.351,162.689 302.907,162.521 ; 301.78,199.125 302.357,198.048 302.913,197.88 ; 301.797,141.17 302.766,142.139 v1(303.302,142.139) ; 301.802,176.529 302.772,177.499 v1(303.307,177.499) ; 302.003,163.646 302.088,163.503 ; 302.008,199.005 302.094,198.862 ; 302.114,163.645 302.907,162.509 302.92,162.521 ; 302.119,199.004 302.913,197.868 302.925,197.88 ; 302.15,163.419 302.15,163.406 302.547,162.674 ; 302.156,198.778 302.156,198.766 302.553,198.033 ; 302.291,163.681 302.535,163.174 ; 302.296,199.04 302.54,198.534 ; v1(302.527,140.151) 302.566,140.191 303.116,140.191 ; v1(302.532,175.51) 302.571,175.55 303.121,175.55 ; 303.45,164.629 ccw(c303.45,164.669) 303.491,164.669 303.491,164.96 cw(c304.217,164.96) 304.217,165.686 ; 303.456,199.988 ccw(c303.456,200.028) 303.496,200.028 303.496,200.319 cw(c304.222,200.319) 304.222,201.045 ; 303.491,165.977 ccw(c303.491,165.901) 303.415,165.901 303.415,164.623 ccw(c303.589,164.623) 303.589,164.449 ; 303.496,201.336 ccw(c303.496,201.26) 303.421,201.26 303.421,199.982 ccw(c303.595,199.982) 303.595,199.808 ; 303.566,165.442 ccw(c303.566,165.535) 303.659,165.535 303.659,165.674 ; 303.572,200.801 ccw(c303.572,200.894) 303.665,200.894 303.665,201.034 ; 303.589,165.552 303.589,165.692 ; 303.595,200.912 303.595,201.051 ; v1@304.393,167.402 304.393,167.378 305.774,165.997 305.774,165.875 ; v1@304.399,202.761 304.399,202.737 305.78,201.356 305.78,201.234 ; v1@304.516,167.435 305.72,166.247 305.762,166.041 cw(c305.73,166.041) 305.73,166.009 ; v1@304.521,202.794 305.725,201.606 305.767,201.4 cw(c305.736,201.4) 305.736,201.368 ; 304.791,158.856 304.791,158.506 305.076,158.222 305.076,158.011 305.515,157.571 305.515,157.326 ; 304.797,194.215 304.797,193.866 305.081,193.581 305.081,193.37 305.521,192.93 305.521,192.685 ; 305.116,152.632 ccw(c299.957,155.252) 305.116,157.871 ; 305.121,187.991 ccw(c299.962,190.611) 305.121,193.231 ; 305.395,157.459 305.395,157.576 305.399,157.58 ; 305.4,192.818 305.4,192.935 305.405,192.939 ; 305.469,166.415 305.667,165.874 ; 305.474,201.774 305.673,201.233 ; 305.52,156.916 305.52,157.222 305.692,157.395 ; 305.525,192.275 305.525,192.581 305.698,192.754 ; 305.672,165.824 ccw(c305.693,165.824) 305.693,165.803 ; 305.678,201.183 ccw(c305.699,201.183) 305.699,201.162 ; 305.754,165.762 305.754,165.875 ; 305.759,201.121 305.759,201.234 ; 305.844,165.709 305.858,165.709 ; 305.849,201.068 305.863,201.068 ; v1@306.161,142.098 ccw(c295.724,155.378) 310.589,147.358 ; v1@306.166,177.457 ccw(c295.73,190.737) 310.594,182.717 ; 307.309,148.635 307.517,148.99 ; 307.314,183.994 307.523,184.349 ; 307.502,148.484 307.611,149.178 ; 307.507,183.843 307.617,184.537 ; 307.627,148.281 307.71,149.397 ; 307.632,183.64 307.716,184.756 ; v1@310.105,147.342 310.135,147.493 310.35,147.536 310.544,147.389 ; v1@310.11,182.701 310.14,182.852 310.356,182.895 310.55,182.748 ; v1@310.122,147.29 310.2,146.747 ; v1@310.128,182.649 310.205,182.106 ; 310.294,146.902 310.342,147.178 v1@310.342,147.187 ; 310.3,182.261 310.347,182.537 v1@310.347,182.546 ; v1@310.982,148.074 311.747,148.352 ; v1@310.987,183.433 311.752,183.712 ; v1@311.046,148.359 311.751,148.359 311.776,148.383 ; v1@311.051,183.718 311.757,183.718 311.781,183.743 ; 311.064,148.506 311.813,148.506 311.856,148.549 ; 311.069,183.865 311.818,183.865 311.861,183.908 ; 311.79,148.375 ccw(c297.367,154.958) 313.221,155.105 ; 311.796,183.734 ccw(c297.373,190.317) 313.226,190.464 ; 311.96,157.921 312.303,157.577 312.303,155.913 313.221,154.995 ; 311.965,193.28 312.309,192.936 312.309,191.272 313.227,190.354 ; 312.106,158.007 312.258,157.754 ; 312.111,193.366 312.264,193.113 ; 312.255,157.858 312.258,158.077 ; 312.26,193.217 312.264,193.436 ; 315.613,162.212 v1@316.015,162.59 ; 315.619,197.571 v1@316.02,197.949 ; v1@316.003,162.647 316.003,162.642 316.158,163.319 ; v1@316.009,198.007 316.009,198.001 316.164,198.678 ; 316.715,146.213 ccw(c330.258,154.376) 318.913,143.36 ; 316.72,181.572 ccw(c330.264,189.735) 318.919,178.719 ; 316.77,146.168 317.28,145.806 ; 316.775,181.527 317.286,181.165 ; 317.038,164.917 ccw(c317.038,164.92) 317.041,164.918 cw(c317.739,164.219) 317.739,165.207 ccw(c317.739,165.509) 317.953,165.295 318.231,165.573 ; 317.044,200.276 ccw(c317.044,200.279) 317.046,200.277 cw(c317.745,199.578) 317.745,200.566 ccw(c317.745,200.868) 317.958,200.655 318.236,200.932 ; 317.057,164.911 ccw(c331.285,155.295) 315.49,148.555 316.459,148.555 318.511,146.503 318.511,145.194 v1@318.166,144.849 ; 317.062,200.27 ccw(c331.29,190.654) 315.495,183.914 316.465,183.914 318.517,181.862 318.517,180.553 v1@318.172,180.208 ; 317.193,145.697 317.195,145.699 ; 317.199,181.056 317.201,181.058 ; v1@317.242,163.806 v1@318.498,163.158 ; v1@317.248,199.165 v1@318.504,198.517 ; 317.278,145.59 317.299,145.618 ; 317.283,180.949 317.305,180.977 ; 317.315,145.922 317.382,145.863 ; 317.32,181.281 317.388,181.222 ; 317.355,145.734 317.381,145.757 ; 317.361,181.093 317.386,181.116 ; 317.363,145.564 317.392,145.616 ; 317.368,180.924 317.398,180.975 ; 317.395,145.44 317.403,145.428 ; 317.401,180.799 317.409,180.787 ; v1@317.42,163.978 v1@318.63,163.353 ; v1@317.426,199.337 v1@318.636,198.712 ; 317.439,145.944 317.441,145.925 ; 317.443,145.682 317.48,145.741 ; 317.445,181.303 317.447,181.285 ; 317.448,181.041 317.486,181.1 ; 317.473,146.07 317.499,146.095 ; 317.479,181.429 317.504,181.454 ; 317.488,145.554 317.493,145.209 ; 317.494,180.913 317.498,180.568 ; 317.521,145.826 317.52,145.845 ; 317.522,146.294 317.629,146.193 317.623,144.901 317.611,144.907 ; 317.525,181.204 317.526,181.185 ; 317.528,181.653 317.634,181.552 317.628,180.26 317.617,180.266 ; 318.229,165.582 cw(c331.235,155.402) 323.867,170.184 325.033,170.287 ; 318.235,200.941 cw(c331.241,190.761) 323.872,205.543 325.038,205.646 ; v1@318.246,145.026 318.34,146.553 ; v1@318.252,180.385 318.346,181.912 ; v1@318.393,145.137 318.402,146.135 ; v1@318.399,180.496 318.408,181.494 ; 318.737,143.603 324.065,143.603 ; 318.742,178.962 324.07,178.962 ; 318.938,143.344 323.906,143.344 323.95,143.387 ; 318.944,178.703 323.912,178.703 323.955,178.746 ; 318.953,143.474 324.079,143.474 ; 318.958,178.833 324.085,178.833 ; 319.396,153.865 319.396,151.162 328.384,142.174 337.181,142.174 v1(341.8,146.793) ; 319.401,189.224 319.401,186.522 328.39,177.533 337.187,177.533 v1(341.806,182.152) ; 319.406,152.714 320.165,152.682 ; 319.411,188.073 320.171,188.041 ; 319.458,153.9 319.561,152.701 ; 319.463,189.259 319.566,188.06 ; 319.469,152.522 319.477,152.514 320.168,152.514 ; 319.475,187.881 319.483,187.873 320.174,187.873 ; 319.479,152.298 320.19,152.347 ; 319.485,187.657 320.195,187.706 ; 319.544,152.396 319.994,152.371 ; 319.55,187.755 319.999,187.73 ; 319.566,151.046 319.582,152.41 ; 319.572,186.406 319.588,187.769 ; 319.624,152.63 319.647,153.908 ; 319.629,187.989 319.653,189.267 ; 319.733,150.863 319.771,152.453 ; 319.734,152.472 319.734,153.782 ; 319.739,186.222 319.776,187.812 ; 319.74,187.831 319.74,189.141 ; 319.814,152.771 319.895,150.728 ; 319.819,188.13 319.9,186.088 ; 319.825,153.94 320.03,153.482 320.04,152.652 ; 319.83,153.66 319.879,152.701 ; 319.83,189.299 320.035,188.841 320.046,188.011 ; 319.836,189.019 319.884,188.06 ; 320.003,152.464 320.04,150.631 ; 320.008,187.823 320.046,185.991 ; 323.436,169.889 325.065,169.894 ; 323.441,205.248 325.07,205.253 ; 323.694,170.043 325.042,170.084 ; 323.7,205.402 325.047,205.443 ; 323.827,143.417 323.827,143.248 324.784,142.291 324.784,142.121 ; 323.832,178.777 323.832,178.607 324.789,177.65 324.789,177.48 ; 324.308,143.446 324.478,143.446 ; 324.314,178.805 324.484,178.805 ; 324.399,142.953 324.712,142.64 324.712,142.505 ; 324.405,178.312 324.717,177.999 324.717,177.865 ; 324.596,142.729 324.596,142.97 324.658,143.033 ; 324.601,178.088 324.601,178.329 324.664,178.392 ; 324.792,143.119 324.792,140.815 326.311,139.296 333.694,139.296 v1(333.864,139.466) ; 324.798,178.478 324.798,176.174 326.317,174.655 333.7,174.655 v1(333.87,174.826) ; 331.45,168.819 331.45,169.019 cw(c331.979,169.019) 331.605,169.393 cw(c331.745,169.253) 331.745,169.451 ; 331.456,204.178 331.456,204.378 cw(c331.984,204.378) 331.611,204.752 cw(c331.751,204.612) 331.751,204.81 ; 331.965,168.232 334.225,168.232 334.941,167.517 ; 331.971,203.591 334.231,203.591 334.946,202.876 ; 332.112,168.371 332.642,168.256 ; 332.118,203.73 332.648,203.615 ; 333.165,139.286 v1@333.78,139.604 ; 333.171,174.645 v1@333.785,174.963 ; 333.607,139.389 v1@333.726,139.507 ; 333.613,174.748 v1@333.731,174.866 ; 334.079,168.232 334.447,168.236 335.027,167.578 ; 334.085,203.591 334.453,203.595 335.033,202.937 ; 334.859,167.319 335.352,166.994 ; 334.864,202.679 335.358,202.353 ; 335.025,167.401 335.431,166.994 336.36,166.994 336.606,166.748 336.606,165.078 337.599,164.085 ; 335.03,202.76 335.437,202.353 336.366,202.353 336.612,202.107 336.612,200.437 337.604,199.444 ; 335.068,144.324 ccw(c335.068,146.278) 336.81,145.393 340.535,152.729 ; 335.073,179.683 ccw(c335.073,181.637) 336.815,180.752 340.54,188.088 ; 335.818,167.613 336.257,167.613 337.043,166.827 337.043,165.593 338.208,164.429 ; 335.823,202.972 336.262,202.972 337.049,202.186 337.049,200.952 338.213,199.788 ; 336.941,164.673 336.947,164.667 337.069,164.173 ; 336.946,200.033 336.952,200.026 337.074,199.532 ; 337.136,164.472 337.234,164.344 ; 337.142,199.831 337.239,199.703 ; 337.157,163.775 337.734,162.698 338.29,162.53 ; 337.163,199.134 337.74,198.057 338.296,197.889 ; 337.18,141.179 338.149,142.148 v1(338.685,142.148) ; 337.185,176.538 338.155,177.507 v1(338.69,177.507) ; 337.385,163.655 337.471,163.512 ; 337.391,199.014 337.477,198.871 ; 337.496,163.654 338.29,162.518 338.303,162.53 ; 337.502,199.013 338.296,197.877 338.308,197.889 ; 337.533,163.428 337.533,163.415 337.93,162.683 ; 337.539,198.787 337.539,198.774 337.936,198.042 ; 337.674,163.69 337.918,163.183 ; 337.679,199.049 337.923,198.542 ; v1(337.909,140.16) 337.949,140.2 338.498,140.2 ; v1(337.915,175.519) 337.954,175.559 338.504,175.559 ; 338.833,164.638 ccw(c338.833,164.678) 338.873,164.678 338.873,164.969 cw(c339.6,164.969) 339.6,165.695 ; 338.838,199.997 ccw(c338.838,200.037) 338.879,200.037 338.879,200.328 cw(c339.605,200.328) 339.605,201.054 ; 338.873,165.985 ccw(c338.873,165.91) 338.798,165.91 338.798,164.632 ccw(c338.972,164.632) 338.972,164.458 ; 338.879,201.344 ccw(c338.879,201.269) 338.803,201.269 338.803,199.991 ccw(c338.978,199.991) 338.978,199.817 ; 338.949,165.451 ccw(c338.949,165.544) 339.042,165.544 339.042,165.683 ; 338.955,200.81 ccw(c338.955,200.903) 339.047,200.903 339.047,201.042 ; 338.972,165.561 338.972,165.701 ; 338.978,200.92 338.978,201.06 ; v1@339.776,167.411 339.776,167.387 341.157,166.006 341.157,165.884 ; v1@339.782,202.77 339.782,202.746 341.163,201.365 341.163,201.243 ; v1@339.898,167.444 341.103,166.256 341.145,166.05 cw(c341.113,166.05) 341.113,166.018 ; v1@339.904,202.803 341.108,201.615 341.15,201.409 cw(c341.119,201.409) 341.119,201.377 ; 340.174,158.864 340.174,158.515 340.459,158.231 340.459,158.02 340.898,157.58 340.898,157.335 ; 340.18,194.224 340.18,193.874 340.464,193.59 340.464,193.379 340.904,192.939 340.904,192.694 ; 340.499,152.641 ccw(c335.34,155.261) 340.499,157.88 ; 340.504,188 ccw(c335.345,190.62) 340.504,193.239 ; 340.778,157.468 340.778,157.584 340.782,157.589 ; 340.783,192.827 340.783,192.944 340.787,192.948 ; 340.852,166.424 341.05,165.883 ; 340.857,201.783 341.056,201.242 ; 340.903,156.925 340.903,157.231 341.075,157.403 ; 340.908,192.284 340.908,192.59 341.081,192.763 ; 341.055,165.833 ccw(c341.076,165.833) 341.076,165.812 ; 341.061,201.192 ccw(c341.082,201.192) 341.082,201.171 ; 341.136,165.771 341.136,165.884 ; 341.142,201.13 341.142,201.243 ; 341.227,165.718 341.241,165.718 ; 341.232,201.077 341.246,201.077 ; v1@341.544,142.107 ccw(c331.107,155.386) 345.972,147.367 ; v1@341.549,177.466 ccw(c331.113,190.745) 345.977,182.726 ; 342.691,148.644 342.9,148.999 ; 342.697,184.003 342.906,184.358 ; 342.884,148.493 342.994,149.187 ; 342.89,183.852 342.999,184.546 ; 343.01,148.29 343.093,149.406 ; 343.015,183.649 343.098,184.765 ; v1@345.488,147.351 345.518,147.501 345.733,147.545 345.927,147.398 ; v1@345.493,182.71 345.523,182.861 345.739,182.904 345.933,182.757 ; v1@345.505,147.299 345.582,146.756 ; v1@345.51,182.658 345.588,182.115 ; 345.677,146.911 345.725,147.187 v1@345.725,147.196 ; 345.683,182.27 345.73,182.546 v1@345.73,182.555 ; v1@346.365,148.083 347.129,148.361 ; v1@346.37,183.442 347.135,183.72 ; v1@346.428,148.368 347.134,148.368 347.159,148.392 ; v1@346.434,183.727 347.14,183.727 347.164,183.751 ; 346.447,148.515 347.195,148.515 347.238,148.558 ; 346.452,183.874 347.201,183.874 347.244,183.917 ; 347.173,148.384 ccw(c332.75,154.967) 348.603,155.113 ; 347.179,183.743 ccw(c332.756,190.326) 348.609,190.473 ; 347.342,157.93 347.686,157.586 347.686,155.922 348.604,155.004 ; 347.348,193.289 347.692,192.945 347.692,191.281 348.61,190.363 ; 347.488,158.016 347.641,157.763 ; 347.494,193.375 347.646,193.122 ; 347.637,157.867 347.641,158.085 ; 347.643,193.226 347.646,193.445